# Altium PCB MCU card V2.PcbDoc (continued)
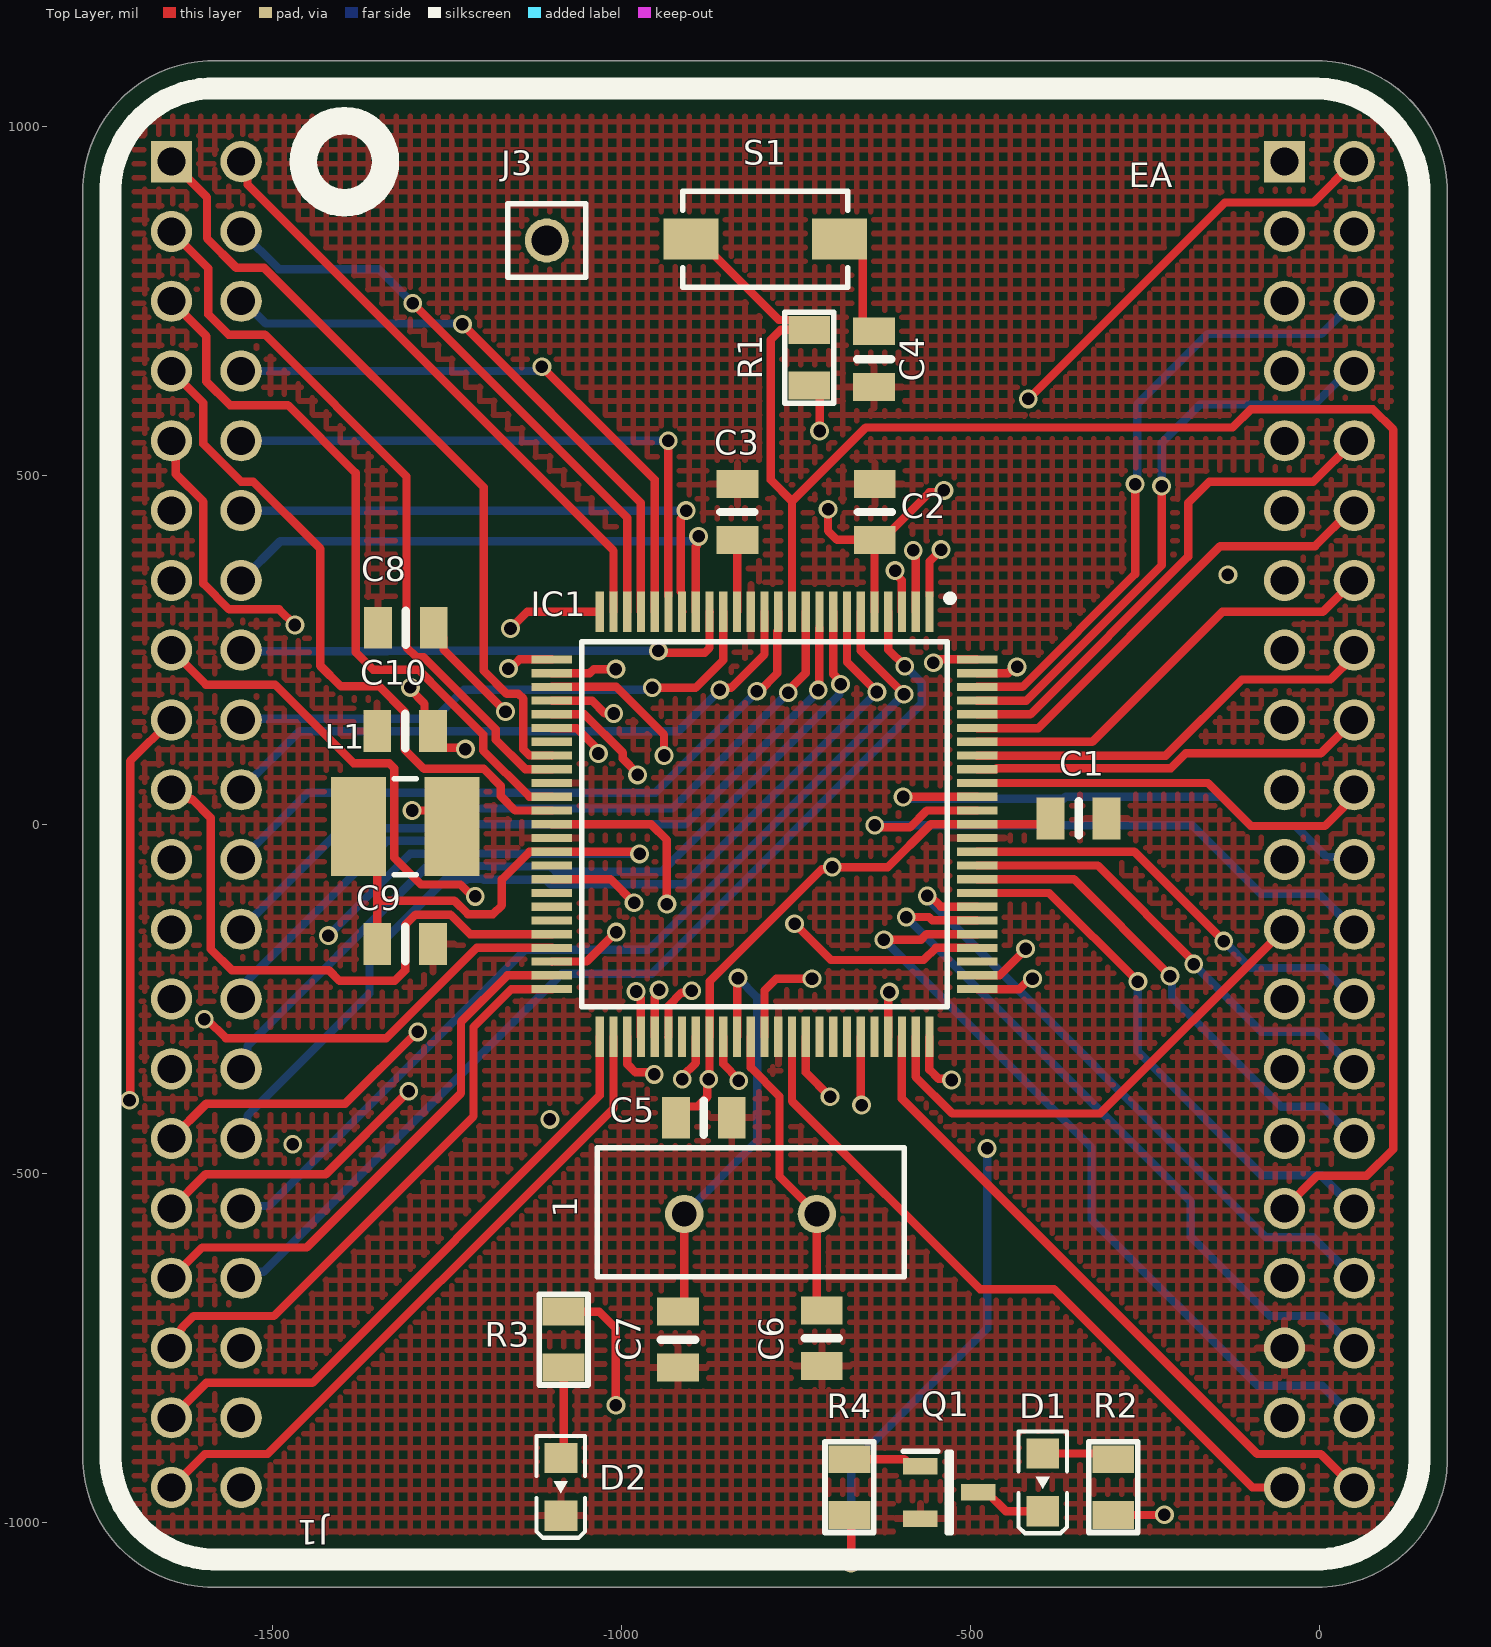
[diagram p0: Top Layer view]
## Footprints (in the part's own frame and the unit in brackets; to place one, negate y for a bottom-side part, rotate by r counter-clockwise, add the part's x,y. Pads: shape width x height; smd on the part's side, far side on the other; paste and mask are expansions set on the pad) (continued)
  silkscreen extent -8.35,-6.65 6.65,6.88, body extent -8,-8 8,8, height 1.2
SMD-0805-RES [mil]
  rect 60x40 smd: 1(0,40) 2(0,-40)
  silkscreen extent -35,-65 35,65, body extent -24,-39 26,39, height 31
SMD-0805C [mil]
  rect 60x40 smd: 1(0,40) 2(0,-40)
  silkscreen extent -25,0 25,0, body extent -25,-39 25,39, height 35
SOT-23-3N [mm]
  rect 1.25x0.6 smd: 1(-1.05,0.95) 2(-1.05,-0.95) 3(1.05,0)
  silkscreen extent -1.68,-1.46 0.08,1.5, body extent -1.18,-1.46 1.18,1.46, height 1.12
WE-LQ_1812 [mm] "SMT Inductor, body 4.5x3.2mm"
  rect 2x3.6 smd: 1(-1.7,0) 2(1.7,0)
  silkscreen extent -0.4,-1.75 0.4,1.75, body extent -2.25,-1.6 2.25,1.6, height 2.59
WL-SMCW_0805 [mm] "SMD Mono-color Chip LED, body 2.0x1.25mm"
  rect 1.1x1.2 smd: 1(-1.05,0) 2(1.05,0)
  silkscreen extent -1.85,-0.88 1.85,0.88, body extent -1,-0.62 1,0.63, height 0.7

## Part data
1: library part "Mini Crystal", "9B-64.000MBBK-B", Freq. Stability="+/- 30 ppm", Frequency="4.096 MHz", Load Capacitance="18 pF", Manufacturer=Abracon, Operating Temp. Range="-40 to 85 degC", PartNumber=ABLS2-4.096MHZ-D4Y-T, Shunt Capacitance="7 pF Max.", ComponentLink1Description="Manufacturer URL", ComponentLink1URL=http://www.abracon.com/, ComponentLink2Description=Datasheet, ComponentLink2URL=http://www.abracon.com/Resonators/ABLS2.pdf, DatasheetVersion="Rev. 03.31.11", ESR="180 Ohm", Freq. Tolerance="+/- 30 ppm", Mounting Technology="Surface Mount", Operation Mode="Fundamental or 3rd Overtone", PackageDescription="2-Pin SMD, Body 11.4 x 4.7 mm, Height 3.3 mm", PackageReference=ABLS2-2, Packing="Tape and Reel", RoHS=TRUE
C1 C2 C3 C4 C5 C6 C7 C8 C9 C10: library part GCD21BR71H104KA01L, "CAP CER 0.1UF 50V X7R 0805", Digi-Key Part Number=490-11955-1-ND, Manufacturer="Murata Electronics North America", Operating Temperature="-55°C ~ 125°C", Package / Case="0805 (2012 Metric)", Ratings=AEC-Q200, Temperature Coefficient=X7R, Tolerance=±10%, Voltage=50V, @ qty=0, Applications=Automotive, Datasheets=http://www.murata.com/~/media/webrenewal/support/library/catalog/products/capacitor/mlcc/c03e.ashx, Factory Stock=0, Features=-, Height - Seated (Max)=-, Image=//media.digikey.com/Renders/Murata%20Renders/0805%28GxM6%29.jpg, Lead Spacing=-, Lead Style=-, Minimum Quantity=1, Mounting Type="Surface Mount, MLCC", Packaging="Cut Tape (CT)", Part Number=GCD21BR71H104KA01L, Part Status=Active, Quantity Available=157, Series=GCD, Size / Dimension="0.079\" L x 0.049\" W (2.00mm x 1.25mm)", Thickness (Max)="0.049\" (1.25mm)", Unit Price (USD)=0.24
D1 D2: "WL-SMCW SMD Mono-color Chip LED Waterclear, size 0805, Blue", Emitting Color=Blue, Forward Voltage="3.2 V", ComponentLink1Description=Manufacturer, ComponentLink1URL=http://www.we-online.de, ComponentLink2Description=Datasheet, ComponentLink2URL=http://katalog.we-online.de/led/datasheet/150080BS75000.pdf, Part Number=150080BS75000, Peak Wavelength="465 nm", Published Date="Jan 2017", Publisher="Wurth Elektronik", Size=0805, Viewing Angle=140°
IC1: "Integrated Circuit", Manufacturer_Name=Microchip, Mouser Part Number=579-PIC18F97J94-I/PF, Datasheet Link=http://ww1.microchip.com/downloads/en/DeviceDoc/30000575C.pdf, Height=1.2mm, Manufacturer_Part_Number=PIC18F97J94-I-PF, Mouser Price/Stock=http://www.mouser.com/Search/ProductDetail.aspx?qs=X98pPdo4MrvAjQYCsjfLPg%3d%3d
J1 J2: "WR-PHD Socket Header, THT, pitch 2.54mm, Dual Row, Vertical, 40pin", Contact Resistance=20mOhm, Operating Temperature="-40 to +125degC", Rated Current=3A, Withstanding Voltage=500VAC, Working Voltage=250VAC, ComponentLink1Description=Manufacturer, ComponentLink1URL=http://www.we-online.de, ComponentLink2Description=Datasheet, ComponentLink2URL=https://katalog.we-online.de/em/datasheet/6130xx21821.pdf, Gender=Female, Mounting Technology=THT, Orientation=Vertical, Packaging=Tray, Part Number=61304021821, Pin Number=40, Pitch=2.54mm, Published Date="June 2019", Publisher="Wurth Elektronik", Row Number=Dual
J3: "WR-PHD Pin Header, THT, pitch 2.54mm, Single Row, Vertical, 1pin", Contact Resistance=20mOhm, Operating Temperature="-40 to +105degC", Rated Current=3A, Withstanding Voltage=500VAC, Working Voltage=250VAC, ComponentLink1Description=Manufacturer, ComponentLink1URL=http://www.we-online.de, ComponentLink2Description=Datasheet, ComponentLink2URL=https://katalog.we-online.de/em/datasheet/6130xx11121.pdf, Gender=Male, Mounting Technology=THT, Orientation=Vertical, Packaging=Bag, Part Number=61300111121, Pin Number=1, Pitch=2.54mm, Published Date="June 2019", Publisher="Wurth Elektronik", Row Number=Single
L1: library part 744045100, "WE-LQ SMT Inductor, size 1812, 10uH, 0.95A", DC Resistance max.=0.3Ohm, Inductance=10uH, Manufacturer="Wurth Elektronik", Operating Temperature="-40 to +125degC", Rated Current=0.95A, Saturation Current=1.5A, Self Resonant Frequency=30MHz, ComponentLink1Description=Manufacturer, ComponentLink1URL=http://www.we-online.de, ComponentLink2Description=Datasheet, ComponentLink2URL=https://www.we-online.com/catalog/datasheet/744045100.pdf, Manufacturer Part Number=744045100, Mounting Technology=SMT, Packaging="Tape and Reel", Published Date="April 2020", Q-Factor=48, Size=1812
Q1: library part S12302DS, "S12302DS Nchanel SMD SOT-23. VDS MAX 20. 400Ma DI"
R1 R2 R3 R4: library part ERJ-6ENF1001V, "RES SMD 1K OHM 1% 1/8W 0805", Digi-Key Part Number=P1.00KCCT-ND, Manufacturer="Panasonic Electronic Components", Operating Temperature="-55°C ~ 155°C", Package / Case="0805 (2012 Metric)", Power (Watts)="0.125W, 1/8W", Supplier Device Package=0805, Temperature Coefficient=±100ppm/°C, Tolerance=±1%, @ qty=1500, Composition="Thick Film", Datasheets=http://industrial.panasonic.com/www-cgi/jvcr13pz.cgi?E+PZ+3+AOA0002+ERJ6ENF1001V+7+WW, Factory Stock=0, Failure Rate=-, Features="Automotive AEC-Q200", Height - Seated (Max)="0.028\" (0.70mm)", Image=//media.digikey.com/Renders/Panasonic%20Renders/ERJ-0805%20Pkg.jpg, Minimum Quantity=1, Number of Terminations=2, Packaging="Cut Tape (CT)", Part Number=ERJ-6ENF1001V, Part Status=Active, Quantity Available=12895103, Series=ERJ, Size / Dimension="0.079\" L x 0.049\" W (2.00mm x 1.25mm)", Unit Price (USD)=0.00729
S1: "WS-TASV J-Bend SMT Tact Switch 6x3.5mm, height 4.3mm, 260gf", Operating Temperature="-40 to +85degC", Rated Current=50mA, Rated Voltage=12VDC, ComponentLink1Description=Manufacturer, ComponentLink1URL=http://www.we-online.de, ComponentLink2Description=Datasheet, ComponentLink2URL=https://katalog.we-online.com/em/datasheet/434113043826.pdf, Contact Material="Stainless Steel", Contact Plating=Silver, Height=4.3mm, Mounting Technology=SMT, Operation Force=260gf, Packaging="Tape and Reel", Part Number=434113043826, Published Date="September 2019", Publisher="Wurth Elektronik", Terminal Material="Copper Alloy", Terminal Plating=Silver, Washable=No

## Via types
v1: diameter 27, hole 18, Top Layer to Bottom Layer, 82 vias

## Nets (pads, with @x,y where several pads share a name; then routed paths per layer and width w, separated by ;. In a path a pad name is that pad's centre, name@x,y a point inside that pad or via, vN(x,y) a via of type N, cw(c..) or ccw(c..) an arc to the next point about the centre after c; other vN are vias at no path point)
3.3V: R2.2 R3.2 | length 1119.4
  Top Layer w12: R3.2 -1032.03,-698 -1008,-722.03 v1(-1008,-832) ; R2.2 -228.42,-989.42 -228,-989 v1(-222,-989)
  MidTop w12: v1(-1008,-832) -851,-989 v1(-222,-989)
3V3_MCU: C1.2 C2.1 C5.2 C8.2 C9.2 IC1.5 IC1.28 IC1.40 IC1.59 IC1.88 J2.7 J2.33 L1.2 R1.2 | length 6994.7
  Top Layer w12: L1.2 -1350,-29.93 -1350,-108.89 ; C9.2 -1350,-108.89 ; C8.2 -1255,268 -1255,250.83 v1(-1166.17,162) ; IC1.28 -1007.35,197.35 -939,129 v1(-939,99) ; v1(-974,-42) -978.06,-42 -981.09,-38.96 -1131.95,-38.96 -1171.44,-78.45 -1171.44,-115.68 -1184.13,-128.38 -1220.2,-128.38 -1239.68,-108.89 -1350,-108.89 ; C5.2 -921.98,-418.01 -907.98,-404.01 -891.01,-404.01 -877.08,-390.08 -877.08,-367.08 -873.82,-363.82 -873.82,-304.24 IC1.59 -873.72,-224.66 -712.93,-63.87 -700.87,-63.87 v1(-698,-61) -618.32,-61 -556.82,0.5 IC1.88 -393.48,0.5 C1.2 ; R1.2 -730,629 -716,615 v1(-716,564) ; v1(-704,452) -704,421 -691,408 C2.1 -626.98,408 -558.85,476.13 -540.87,476.13 v1(-538,479) ; IC1.5 C2.1@-637.5,407.48
  MidTop w12: v1(-1420,-159) -1422,-157 -1422,-20 -1240,162 v1(-1166.17,162) ; v1(-875,-365) -874,-364 -874,-306.48 -727.52,-160 -387,180.52 -387,601 -338,650 J2.7 ; v1(-716,564) -704,552 v1(-704,452)
  MidBottom w12: v1(-1166.17,162) -1139.17,189 -999,189 -941.87,131.87 v1@-941.87,101.87 ; v1(-939,99) -934.94,99 -924.94,89 -889,89 -739,-61 v1(-698,-61) -698,153 -659.5,191.5 -659.5,200.56 -516.5,343.56 -516.5,459.5 -536,479 v1(-538,479) ; v1(-875,-365) -735.57,-504.43 -195.57,-504.43 J2.33
  Bottom Layer w12: v1(-1420,-159) -1303,-42 -1235.73,-42 -1235.11,-41.38 -1184.16,-41.38 -1183.54,-42 v1(-974,-42)
GND: C1.1 C2.2 C3.2 C4.2 C5.1 C6.1 C7.1 C8.1 C9.1 C10.1 D2.1 IC1.14 IC1.32 IC1.35 IC1.39 IC1.64 IC1.87 J2.35 Q1.2
MCLR: IC1.11 J2.31 R1.1 S1.1 | length 2836.8
  Top Layer w12: S1.1 -890.44,839 -774.44,723 -744.98,723 R1.1 -772,709 -786,695 -786,493.77 -755.61,463.39 ; IC1.11 -755.61,463.39 ; J2.31 -3,-503 68,-503 106,-465 106,566 77,595 -98.25,595 -124.25,569 -650,569 -755.61,463.39
NetC3_1: C3.1 IC1.15 | length 103
  Top Layer w12: IC1.15 -834.35,328.09 -833.98,328.46 C3.1
NetC4_1: C4.1 S1.2 | length 159.7
  Top Layer w12: S1.2 -677.84,839 -654.32,815.47 -654.32,721 -640.32,707 C4.1
NetC10_2: C10.2 IC1.31 L1.1 | length 660.7
  Top Layer w12: v1(-1302.55,196.52) -1302.55,193.49 -1282.26,173.2 -1282.26,146.26 C10.2 -1270,124 -1256,110 -1225.49,110 v1(-1223.72,108.24) ; v1(-1300.06,20.24) -1266.32,20.24 L1.1 ; IC1.31 -1099.54,138.2 -1064.2,138.2 -1035.91,109.91 -1035.91,104.79 v1(-1033.04,101.92)
  MidBottom w12: v1(-1302.55,196.52) -1301.3,195.27 -1301.3,21.49 v1(-1300.06,20.24) ; v1(-1223.72,108.24) -1043.42,108.24 -1037.1,101.92 v1(-1033.04,101.92)
NetD1_1: D1.1 Q1.3 | length 103.8
  Top Layer w12: Q1.3 -476.19,-957 -449.38,-983.81 D1.1
NetD1_2: D1.2 R2.1 | length 104.4
  Top Layer w12: D1.2 -303.61,-901.13 R2.1
NetD2_2: D2.2 R3.1 | length 131.3
  Top Layer w12: D2.2 -1082.98,-903.66 R3.1
NetQ1_1: Q1.1 R4.1 | length 105.9
  Top Layer w12: R4.1 -594.64,-909.42 -584.46,-919.6 Q1.1
osc1: 1.1 C7.2 IC1.61 | length 621.1
  Top Layer w12: C7.2 -909.98,-689 1.1 ; IC1.61 -834.35,-221.35 v1(-833,-220)
  Bottom Layer w12: 1.1 -805.5,-453.52 -805.5,-247.5 v1(-833,-220)
osc2: 1.2 C6.2 IC1.62 | length 434
  Top Layer w12: IC1.62 -814.67,-348.33 -773.61,-389.39 -773.61,-504.37 1.2 -719.98,-689 C6.2
PGC: IC1.65 J2.39 | length 1027.2
  Top Layer w12: IC1.65 -755.61,-396.45 -486.28,-665.78 -380.22,-665.78 -96,-950 J2.39
PGD: IC1.58 J2.37 | length 1468.4
  Top Layer w12: v1(-913,-365) -913,-360.94 -893.5,-341.44 -893.5,-304.24 IC1.58
  MidBottom w12: v1(-913,-365) -1002,-454 -1002,-723 -875,-850 J2.37
RA0: IC1.37 J1.7 | length 979
  Top Layer w12: J1.7 -1599.1,604.1 -1599.1,545.37 -1545.26,491.53 -1527.8,491.53 -1431.61,395.34 -1431.61,227.61 -1402,198 -1347.03,198 -1310.74,161.71 -1310.74,107.77 -1282.84,79.87 -1197.31,79.87 -1173,55.56 -1173,41 -1152.28,20.28 -1099.72,20.28 IC1.37
RA1: IC1.36 J1.5 | length 1041.6
  Top Layer w12: J1.5 -1595,700 -1595,635 -1561,601 -1478,601 -1381,504 -1381,247.03 -1355.99,222.02 -1301.44,222.02 -1290.94,222 -1272.93,203.99 -1272.93,203.9 -1198.22,129.2 -1198.22,106.24 -1131.95,39.96 -1099.72,39.96 IC1.36
RA2: IC1.34 J1.3 | length 1055.5
  Top Layer w12: J1.3 -1592,797 -1592,731 -1563.05,702.05 -1511.05,702.05 -1308,499 -1308,254.03 -1293.97,240 -1283.48,240 -1180.22,136.74 -1180.22,121.84 -1137.72,79.33 -1099.72,79.33 IC1.34
RA3: IC1.33 J1.1 | length 1129.1
  Top Layer w12: J1.1 -1594,899 -1594,840 -1552,798 -1512,798 -1197.28,483.28 -1197.28,220.28 -1164.46,187.46 -1147.7,187.46 -1140.67,180.43 -1140.67,107.73 -1131.95,99.02 -1099.72,99.02 IC1.33
RA5: IC1.42 J1.9 | length 1999.8
  Top Layer w12: J1.9 -1638.74,543.74 -1638.74,502.47 -1599.1,462.83 -1599.1,345.37 -1562.2,308.47 -1490.47,308.47 v1(-1468,286) ; IC1.42 -1015.76,-78.24 v1(-982,-112)
  MidTop w12: v1(-1471,-458) -1138,-458 v1(-1102.5,-422.5)
  MidBottom w12: v1(-1471,-458) -1468,-455 v1(-1468,286) ; v1(-1102.5,-422.5) -1101,-421 -1101,-323.97 -982,-204.97 v1(-982,-112)
RB0: IC1.73 J2.40 | length 967.6
  Top Layer w12: IC1.73 -598.13,-392.87 -89,-902 2,-902 J2.40
RB1: IC1.72 J2.4 | length 1485.2
  Top Layer w12: IC1.72 -617.82,-241.82 v1(-616,-240)
  MidTop w12: v1(-616,-240) -131,245 v1(-131,358)
  MidBottom w12: v1(-131,358) -131,762 -94,799 -1,799 J2.4
RB2: IC1.70 J1.11 | length 2447.9
  Top Layer w12: IC1.70 -657.19,-400.81 v1(-656,-402)
  MidTop w12: J1.11 -1731,364 -1731,-653 -1692.47,-691.53 -945.53,-691.53 v1(-656,-402)
RC2: IC1.53 J1.17 | length 1425.7
  Top Layer w12: v1(-1705,-395) -1704,-394 -1704,91 J1.17 ; IC1.53 -991.74,-304.24 -991.74,-343.26 -979.87,-355.13 -955.87,-355.13 v1(-953,-358)
  MidTop w12: v1(-1705,-395) -1367.47,-395 -1324.97,-352.5 -967.53,-352.5 -964.9,-355.13 -955.87,-355.13 v1(-953,-358)
RC3: IC1.54 J2.1 | length 1741.3
  Top Layer w12: v1(-978.96,-239.2) -978.96,-242.22 -972.15,-249.03 IC1.54
  MidTop w12: v1(-978.96,-239.2) -978.96,-235.14 -971.53,-227.72 -971.53,-226.41 -510.73,234.39 -510.73,659.27 -220,950 J2.1
RC4: IC1.56 J2.5 | length 1586.6
  Top Layer w12: IC1.56 -932.69,-304.05 -932.69,-259.69 -913.87,-240.87 -902.09,-240.87 v1(-899.22,-238)
  MidTop w12: v1(-899.22,-238) -896.35,-235.13 -896.35,-223.29 -468,205.06 -468,605 -323,750 J2.5
RC6: IC1.47 J1.13 | length 1214.1
  Top Layer w12: v1(-1598,-279) -1593.94,-279 -1566.94,-306 -1337,-306 -1207.67,-176.67 IC1.47
  MidBottom w12: J1.13 -1595,300 -1595,-265.39 -1595.13,-265.52 -1595.13,-276.13 v1(-1598,-279)
RC7: IC1.48 J1.15 | length 989.7
  Top Layer w12: J1.15 -1595.5,200.5 -1496.5,200.5 -1384,88 -1333,88 -1325.56,80.56 -1325.56,-47.72 -1287.41,-85.87 -1230.7,-85.87 -1213.69,-102.88 v1(-1209.63,-102.88) ; IC1.48 -1099.54,-196.26 -1049.76,-196.26 v1(-1007.5,-154)
  MidBottom w12: v1(-1209.63,-102.88) -1158.51,-154 v1(-1007.5,-154)
RD0: IC1.90 J2.22 | length 792.4
  Top Layer w12: v1(-596.53,39.53) -596.29,39.78 -490.43,39.78 IC1.90
  Bottom Layer w12: v1(-596.53,39.53) -594,37 -366.47,37 -363.47,40 -140,40 -98,-2 -34,-2 10.39,-46.39 46.39,-46.39 J2.22
RD1: IC1.86 J2.26 | length 627.8
  Top Layer w12: IC1.86 -265.13,-38.87 v1(-137,-167)
  Bottom Layer w12: v1(-137,-167) -98.57,-205.43 5.43,-205.43 J2.26
RD2: IC1.84 J2.30 | length 711.2
  Top Layer w12: IC1.84 -351.76,-78.24 -214,-216 v1(-214,-217)
  Bottom Layer w12: v1(-214,-217) -211.13,-219.87 -211.13,-247.6 -54.63,-404.1 4.1,-404.1 J2.30
RD3: IC1.83 J2.32 | length 786.2
  Top Layer w12: IC1.83 -387.07,-97.93 v1(-260,-225)
  Bottom Layer w12: v1(-260,-225) -260,-325 -82.5,-502.5 2.5,-502.5 J2.32
RD4: IC1.82 J2.34 | length 918.9
  Top Layer w12: v1(-561.79,-102.21) -557.73,-102.21 -542.33,-117.61 IC1.82
  Bottom Layer w12: v1(-561.79,-102.21) -561.79,-106.27 -76.53,-591.53 -8.47,-591.53 J2.34
RD5: IC1.81 J2.36 | length 1031.1
  Top Layer w12: v1(-592.03,-132.46) -559.37,-132.46 -554.53,-137.3 IC1.81
  Bottom Layer w12: v1(-592.03,-132.46) -184,-540.48 -184,-591 -70.9,-704.1 4.1,-704.1 J2.36
RD6: IC1.79 J2.2 | length 1802.7
  Top Layer w12: v1(-752,-142) -700,-194 -566.94,-194 -549.6,-176.67 IC1.79 ; v1(-417,610) -135.47,891.53 -8.47,891.53 J2.2
  MidTop w12: v1(-752,-142) -749.13,-139.13 -739.13,-139.13 -407.5,192.5 -407.5,596.44 -417,605.94 v1(-417,610)
RE0: IC1.4 J1.34 | length 1468.1
  Top Layer w12: IC1.4 -617.82,250.82 v1(-594,227)
  Bottom Layer w12: J1.34 -1536,-641 -1513,-641 -1085.5,-213.5 -956.5,-213.5 -569.68,173.32 -569.68,202.68 v1(-594,227)
RE1: IC1.3 J1.36 | length 1984.7
  Top Layer w12: v1(-608,364) -608,359.94 -598.13,350.07 IC1.3
  MidBottom w12: J1.36 -1445.5,-650.5 -1445.5,236.5 -1313.5,368.5 -622.53,368.5 -620.9,366.87 -610.87,366.87 v1(-608,364)
RE2: IC1.98 J2.6 | length 909.9
  Top Layer w12: IC1.98 -425.59,197.35 -264,358.94 v1(-264,488)
  Bottom Layer w12: v1(-264,488) -261.13,490.87 -261.13,601.87 -160,703 3,703 J2.6
RE3: IC1.97 J2.8 | length 838.8
  Top Layer w12: IC1.97 -419.82,177.67 -226,371.48 v1(-226,485)
  Bottom Layer w12: v1(-226,485) -226,547 -171,602 -7,602 41,650 J2.8
RE4: IC1.95 J2.12 | length 669.5
  Top Layer w12: IC1.95 -402.7,138.3 -142,399 -6,399 45,450 J2.12
RE5: IC1.94 J2.14 | length 636.2
  Top Layer w12: IC1.94 -325.39,118.61 -139,305 5,305 J2.14
RE6: IC1.93 J2.16 | length 607.6
  Top Layer w12: IC1.93 -220.07,98.93 -111,208 16,208 50,242 J2.16
RE7: IC1.92 J2.18 | length 569.6
  Top Layer w12: IC1.92 -490.24,79.33 -463.65,79.33 -462.06,80.93 -212.62,80.93 -191.54,102 2,102 J2.18
RF2: IC1.23 J1.4 | length 857.8
  Top Layer w12: v1(-1299,747) -991.83,439.83 IC1.23
  Bottom Layer w12: J1.4 -1491,796 -1348,796 v1(-1299,747)
RF3/D-: IC1.22 J1.6 | length 848.5
  Top Layer w12: v1(-1228,717) -972.15,461.15 IC1.22
  Bottom Layer w12: J1.6 -1541.79,750 -1509.79,718 -1229,718 v1(-1228,717)
RF4/D+: IC1.20 J1.10 | length 833.9
  Top Layer w12: v1(-933,550) -933,331.96 -932.87,331.83 IC1.20@-932.87,328.18
  Bottom Layer w12: J1.10 v1(-933,550)
RF5: IC1.19 J1.12 | length 786.3
  Top Layer w12: IC1.19 -913.19,305.24 -913.19,331.83 -914.87,333.51 -914.87,339.15 -915,339.28 -915,438.44 -907.5,445.94 v1(-907.5,450)
  Bottom Layer w12: J1.12 v1(-907.5,450)
RF6: IC1.18 J1.14 | length 791.1
  Top Layer w12: IC1.18 -893.41,398.48 -892.37,399.52 -892.37,410.13 v1(-889.5,413)
  Bottom Layer w12: J1.14 -1489,406 -897,406 -890,413 v1(-889.5,413)
RF7: IC1.17 J1.16 | length 728.1
  Top Layer w12: v1(-947,249) -944.13,246.13 -880.85,246.13 -873.82,253.16 -873.82,305.05 IC1.17
  Bottom Layer w12: J1.16 -1543.5,248.5 -1335.85,248.5 -1335.35,249 v1(-947,249)
RG0: IC1.6 J1.32 | length 1399
  Top Layer w12: IC1.6 -657.19,249.25 -595.18,187.25 v1(-595.18,186.82)
  Bottom Layer w12: J1.32 -1541.46,-546.46 -1505.33,-546.46 -1138.38,-179.5 -961.5,-179.5 v1(-595.18,186.82)
RG1: IC1.7 J1.30 | length 1362
  Top Layer w12: IC1.7 -676.87,232.87 v1(-634,190)
  Bottom Layer w12: J1.30 -1536,-441 -1536,-417 -1361.1,-242.1 -1361.1,-187.1 -1253,-79 -1221.82,-79 -1220.2,-77.38 -1199.07,-77.38 -1197.45,-79 -1107.94,-79 -1101.44,-85.5 -909.5,-85.5 v1(-634,190)
RG2: IC1.8 J1.28 | length 1223.9
  Top Layer w12: IC1.8 -696.56,215.68 -686,205.12 v1(-686,201.06)
  Bottom Layer w12: J1.28 -1536,-341 -1536,-317 -1279,-60 -1228.27,-60 -1227.65,-59.38 -1191.62,-59.38 -1190.99,-60 -1101.48,-60 -1093.98,-67.5 -941.96,-67.5 -687.87,186.59 -687.87,199.19 v1(-686,201.06)
RG3: IC1.9 J1.26 | length 1112
  Top Layer w12: v1(-717.93,192.72) -716.34,194.3 IC1.9@-716.34,282.11
  Bottom Layer w12: J1.26 -1536,-241 -1536,-223 -1336.26,-23.26 -1269.17,-23.26 -1245.41,0.5 -908.5,0.5 -717.93,191.07 v1(-717.93,192.72)
RG4: IC1.12 J1.22 | length 967.7
  Top Layer w12: v1(-806,191) -802.62,191 -776.98,216.64 -776.98,276.87 -775.39,278.46 -775.39,305.05 IC1.12
  Bottom Layer w12: J1.22 -1449.26,45.74 -951.26,45.74 v1(-806,191)
RG6: IC1.89 J2.24 | length 906.7
  Top Layer w12: v1(-637.03,-0.97) -634.16,-3.84 -606.1,-3.84 -605.94,-4 -586.78,-4 -562.59,20.18 IC1.89
  Bottom Layer w12: v1(-637.03,-0.97) -182,-1 -84,-99 -1,-99 J2.24
RG7: IC1.96 J2.10 | length 747.8
  Top Layer w12: IC1.96 -414.05,157.98 -188,384.03 -188,461 -157.47,491.53 -8.47,491.53 J2.10
RH0: IC1.99 J2.21 | length 558.4
  Top Layer w12: IC1.99 -490.24,217.13 -445.93,217.13 -437.06,226 v1(-433,226)
  MidBottom w12: v1(-433,226) -326,226 J2.21
RH1: IC1.100 J2.27 | length 925.9
  Top Layer w12: v1(-553,232) -548.94,232 -544.22,236.72 IC1.100
  MidBottom w12: v1(-553,232) -553,31.94 -171.06,-350 J2.27
RH2: IC1.1 J1.40 | length 2228.8
  Top Layer w12: IC1.1@-558.67,328.18 -558.67,377.33 v1(-542,394)
  MidBottom w12: J1.40 -1361,-766 -1361,213 -1265.5,308.5 -588.5,308.5 -542,355 v1(-542,394)
RH3: IC1.2 J1.38 | length 2148.6
  Top Layer w12: v1(-582,393) -582,388.94 -578.45,385.39 IC1.2
  MidBottom w12: J1.38 -1394.5,-699.5 -1394.5,240.5 -1305,330 -592.46,330 -582,340.46 v1(-582,393)
RH4: IC1.27 J1.25 | length 937.4
  Top Layer w12: IC1.27 -1045.5,217.04 -1039.69,222.85 v1(-1008,222.85)
  MidTop w12: J1.25 -1594,-199 -1412,-199 -1009.35,203.65 -1009.35,221.5 v1(-1008,222.85)
RH5: IC1.26 J1.23 | length 739.5
  Top Layer w12: v1(-1162,223.5) -1159.5,223.5 -1146.28,236.72 IC1.26
  MidTop w12: J1.23 -1598,-103 -1508,-103 -1458,-53 -1458,5 -1239.5,223.5 v1(-1162,223.5)
RH6: IC1.25 J1.21 | length 761.7
  Top Layer w12: v1(-1159,281) -1134.85,305.15 IC1.25
  MidTop w12: J1.21 -1595,0 -1535.12,0 -1253.12,282 -1160,282 v1(-1159,281)
RH7: IC1.24 J1.2 | length 865.8
  Top Layer w12: J1.2 -1536,941 -1536,917 -1011.52,392.52 IC1.24
RJ0: IC1.77 R4.2 | length 1138.7
  Top Layer w12: R4.2 -671,-991.74 v1(-671,-1058) ; IC1.77 -490.24,-215.94 -458.02,-215.94 -421,-178.92 v1(-421,-178)
  MidBottom w12: v1(-476,-464) -476,-233 v1(-421,-178)
  Bottom Layer w12: v1(-671,-1058) -671,-917 -476,-722 v1(-476,-464)
RJ1: IC1.76 J2.29 | length 564.1
  Top Layer w12: IC1.76 -429.78,-235.72 -415.06,-221 v1(-411,-221)
  MidBottom w12: v1(-411,-221) -411,-260 -221,-450 J2.29
RJ2: IC1.75 J2.25 | length 610
  Top Layer w12: IC1.75 -558.76,-351.24 -545.77,-364.23 -528.77,-364.23 v1(-527,-366)
  MidTop w12: v1(-527,-366) -166,-366 J2.25
RJ3: IC1.74 J2.23 | length 716.9
  Top Layer w12: IC1.74 -578.45,-361.55 -526,-414 -314,-414 J2.23
RJ4: IC1.49 J1.33 | length 785.1
  Top Layer w12: J1.33 -1601,-606 -1451,-606 -1230,-385 -1230,-282.54 -1163.49,-216.04 IC1.49
RJ5: IC1.50 J1.35 | length 841.6
  Top Layer w12: J1.35 -1645,-737.27 -1630.39,-722.66 -1630.39,-721.39 -1613.1,-704.1 -1498.1,-704.1 -1212,-418 -1212,-290 -1157.72,-235.72 IC1.50
RJ6: IC1.51 J1.37 | length 889.1
  Top Layer w12: J1.37 -1595,-800 -1443,-800 -1031.2,-388.2 IC1.51
RJ7: IC1.52 J1.39 | length 961
  Top Layer w12: J1.39 -1597,-902 -1507,-902 -1011.52,-406.52 IC1.52
RK0: IC1.46 J1.19 | length 858
  Top Layer w12: J1.19 -1632.27,50 -1618.66,36.39 -1615.39,36.39 -1588.8,9.8 -1588.8,-178.2 -1558.53,-208.47 -1419.53,-208.47 -1404,-224 -1325,-224 -1310,-209 -1310,-144.03 -1294.97,-129 -1245.03,-129 -1217.05,-156.98 IC1.46
RK1: IC1.55 J2.3 | length 1656.8
  Top Layer w12: IC1.55 -952.46,-247.46 -946.03,-241.03 v1(-946.03,-236.97)
  MidTop w12: v1(-946.03,-236.97) -943.16,-234.1 -943.16,-224.1 -492.73,226.33 -492.73,627.27 -270,850 J2.3
RK2: IC1.60 J2.9 | length 1467.6
  Top Layer w12: IC1.60 -853.94,-304.24 -853.94,-343.06 -832.03,-364.97 v1(-832.03,-367.03)
  MidTop w12: v1(-832.03,-367.03) -832.03,-289.97 -361,181.06 -361,503 -314,550 J2.9
RK3: IC1.63 J2.11 | length 1216.4
  Top Layer w12: IC1.63 -794.98,-237.62 -778.36,-221 v1(-727,-221)
  MidTop w12: v1(-727,-221) -335,171 -335,376 -261,450 J2.11
RK4: IC1.66 J1.31 | length 1119.2
  Top Layer w12: J1.31 -1596,-501 -1423.81,-501 v1(-1304.91,-382.09) ; IC1.66 -735.83,-304.24 -735.83,-355.17 v1(-701,-390)
  MidTop w12: v1(-1304.91,-382.09) -1300.85,-382.09 -1290.41,-392.53 -703.53,-392.53 v1(-701,-390)
RK6: IC1.80 J2.38 | length 1155.1
  Top Layer w12: v1(-624,-165) -570.67,-165 -562.65,-156.98 IC1.80
  Bottom Layer w12: v1(-624,-165) -326.38,-462.62 -326.38,-565.62 -87.9,-804.1 4.1,-804.1 J2.38
RK7: IC1.85 J2.28 | length 663.4
  Top Layer w12: IC1.85 -317.44,-58.56 -180,-196 v1(-180,-200)
  Bottom Layer w12: v1(-180,-200) -83,-297 -3,-297 J2.28
RL0: IC1.91 J2.20 | length 593.2
  Top Layer w12: IC1.91 -159.56,59.56 -98,-2 8,-2 50,40 J2.20
RL1: IC1.10 J1.24 | length 1050.9
  Top Layer w12: v1(-761,189) -761,191.96 -735.96,217 -735.96,305.11 IC1.10
  Bottom Layer w12: J1.24 -1400.26,-5.26 -1276.62,-5.26 -1248.37,23 -927,23 v1(-761,189)
RL2: IC1.13 J1.20 | length 891.5
  Top Layer w12: v1(-859,193) -856.13,195.87 -843.13,195.87 -794.98,244.02 IC1.13
  Bottom Layer w12: J1.20 -1461.26,133.74 -918.26,133.74 v1(-859,193)
RL3: IC1.16 J1.18 | length 795.8
  Top Layer w12: v1(-956,196) -894,196 -854.04,235.96 IC1.16
  Bottom Layer w12: J1.18 -1543.26,151.74 -1267.43,151.74 -1225.66,193.5 -958.5,193.5 v1(-956,196)
RL4: IC1.21 J1.8 | length 851.2
  Top Layer w12: v1(-1114,656) -952.46,494.46 IC1.21
  Bottom Layer w12: J1.8 -1120,650 v1(-1114,656)
RL5: IC1.30 J1.27 | length 1010.4
  Top Layer w12: IC1.30 -1099.54,157.89 -1052.95,157.89 -998.17,103.11 -998.17,94.62 -977,73.45 v1(-977,71.24)
  MidTop w12: J1.27 -1601,-306 -1349,-306 -1000.89,42.11 -1000.89,47.35 v1(-977,71.24)
RL6: IC1.38 J1.29 | length 1126.8
  Top Layer w12: J1.29 -1595,-400 -1395.97,-400 -1293,-297.03 v1(-1291.97,-297.03) ; IC1.38 -957.5,0.5 -935,-22 v1(-935,-114)
  MidTop w12: v1(-1291.97,-297.03) -1288.94,-297.03 -1280.63,-288.73 -1279.73,-288.73 -1213,-222 -1023,-222 -935.27,-134.27 -935.27,-114.27 v1(-935,-114)
VBAT: IC1.29 J3.1 | length 839.7
  Top Layer w12: IC1.29 -1042.12,177.67 -1023.96,159.5 -1011.26,159.5 v1(-1011,159.24)
  MidTop w12: J3.1 -1107,755 -982.5,630.5 -982.5,183.77 -1007.03,159.24 v1(-1011,159.24)
pads on no net: IC1.41 IC1.43 IC1.44 IC1.45 IC1.57 IC1.67 IC1.68 IC1.69 IC1.71 IC1.78 J2.13 J2.15 J2.17 J2.19

## Polygon pours and split planes (outlines as drawn)
GND on Bottom Layer (hatched 90Degree grid 20 track 8, remove dead copper, pour order 0): -1705.83,1022.64 110.83,1022.64 110.83,-1022.64 -1705.83,-1022.64
GND on MidBottom (hatched 90Degree grid 20 track 8, remove dead copper, pour order 1): -1697.95,1014.76 102.95,1014.76 102.95,-1014.76 -1697.95,-1014.76
GND on MidTop (hatched 90Degree grid 20 track 8, remove dead copper, pour order 2): -1697.95,1014.76 102.95,1014.76 102.95,-1014.76 -1697.95,-1014.76
GND on Top Layer (hatched 90Degree grid 20 track 8, remove dead copper, pour order 4): -1697.95,1014.76 102.95,1014.76 102.95,-1014.76 -1697.95,-1014.76

## Silkscreen, mask and mechanical layers (free items; w line width, h text height)
Top Overlay:
  circle w39.37: c-1396.98,950 r58.83
  lines w31.5: -1732.48,-898.82 ccw(c-1581.61,-902.33) -1585.12,-1053.2 -10.31,-1053.2 ccw(c-4.53,-904.83) 143.84,-910.61 143.84,900.41 ccw(c-6.98,904.25) -3.15,1055.07 -1577.95,1055.07 ccw(c-1583.78,906.37) -1732.48,912.2 -1732.48,-898.82
  text "EA" at -272.98,902.13 h60
Bottom Overlay:
  circle w10: c-1166.3,938.13 r22.47
  circle w10: c-493.44,-946.1 r22.47
  circle w10: c-420.44,-946.1 r22.47
  circle w10: c-493.44,853.9 r22.47
  circle w10: c-493.44,953.9 r22.47
  circle w10: c-493.44,753.9 r22.47
  circle w10: c-493.44,553.9 r22.47
  circle w10: c-493.44,-46.1 r22.47
  circle w10: c-493.44,-246.1 r22.47
  circle w10: c-493.44,-346.1 r22.47
  circle w10: c-493.44,-446.1 r22.47
  circle w10: c-493.44,-146.1 r22.47
  circle w10: c-493.44,353.9 r22.47
  circle w10: c-493.44,253.9 r22.47
  circle w10: c-493.44,153.9 r22.47
  circle w10: c-493.44,53.9 r22.47
  circle w10: c-493.44,453.9 r22.47
  circle w10: c-493.44,653.9 r22.47
  circle w10: c-420.44,-546.1 r22.47
  circle w10: c-420.44,-246.1 r22.47
  circle w10: c-420.44,553.9 r22.47
  circle w10: c-420.44,453.9 r22.47
  circle w10: c-420.44,353.9 r22.47
  circle w10: c-420.44,153.9 r22.47
  circle w10: c-420.44,253.9 r22.47
  circle w10: c-420.44,-46.1 r22.47
  circle w10: c-420.44,-146.1 r22.47
  circle w10: c-420.44,-346.1 r22.47
  circle w10: c-420.44,53.9 r22.47
  circle w10: c-420.44,-646.1 r22.47
  circle w10: c-420.44,-846.1 r22.47
  circle w10: c-420.44,-746.1 r22.47
  circle w10: c-420.44,-446.1 r22.47
  circle w10: c-420.44,853.9 r22.47
  circle w10: c-420.44,653.9 r22.47
  circle w10: c-420.44,953.9 r22.47
  circle w10: c-420.44,753.9 r22.47
  circle w10: c-493.44,-846.1 r22.47
  circle w10: c-493.44,-646.1 r22.47
  circle w10: c-493.44,-546.1 r22.47
  circle w10: c-493.44,-746.1 r22.47
  circle w10: c-1166.3,338.13 r22.47
  circle w10: c-1166.3,-661.87 r22.47
  circle w10: c-1166.3,-561.87 r22.47
  circle w10: c-1166.3,-761.87 r22.47
  circle w10: c-1166.3,38.13 r22.47
  circle w10: c-1166.3,138.13 r22.47
  circle w10: c-1166.3,-61.87 r22.47
  circle w10: c-1166.3,-261.87 r22.47
  circle w10: c-1166.3,-161.87 r22.47
  circle w10: c-1166.3,-461.87 r22.47
  circle w10: c-1166.3,-361.87 r22.47
  circle w10: c-1166.3,238.13 r22.47
  circle w10: c-1166.3,738.13 r22.47
  circle w10: c-1093.3,838.13 r22.47
  circle w10: c-1093.3,738.13 r22.47
  circle w10: c-1166.3,838.13 r22.47
  circle w10: c-1093.3,938.13 r22.47
  circle w10: c-1093.3,-461.87 r22.47
  circle w10: c-1093.3,-361.87 r22.47
  circle w10: c-1093.3,-261.87 r22.47
  circle w10: c-1093.3,-161.87 r22.47
  circle w10: c-1166.3,438.13 r22.47
  circle w10: c-1093.3,538.13 r22.47
  circle w10: c-1093.3,638.13 r22.47
  circle w10: c-1093.3,438.13 r22.47
  circle w10: c-1093.3,338.13 r22.47
  circle w10: c-1093.3,138.13 r22.47
  circle w10: c-1093.3,238.13 r22.47
  circle w10: c-1093.3,-61.87 r22.47
  circle w10: c-1093.3,38.13 r22.47
  circle w10: c-1166.3,538.13 r22.47
  circle w10: c-1166.3,638.13 r22.47
  circle w10: c-1093.3,-661.87 r22.47
  circle w10: c-1093.3,-861.87 r22.47
  circle w10: c-1093.3,-561.87 r22.47
  circle w10: c-1093.3,-961.87 r22.47
  circle w10: c-1093.3,-761.87 r22.47
  circle w10: c-1166.3,-861.87 r22.47
  circle w10: c-1166.3,-961.87 r22.47
  lines w10: -1225.98,-1011.87 -1034.98,-1011.87 -1034.98,1017.13 -1225.98,1017.13 -1225.98,-1011.87 ; -554.44,-1012.1 -363.44,-1012.1 -363.44,1016.9 -554.44,1016.9 -554.44,-1012.1
  text "A" at -1110.98,1034.17 h60
  text "B" at -448.51,1034 h60
  text "RC3" at -593.44,937.83 h60
  text "RD6" at -240.44,937.83 h60
  text "RA3" at -1266.3,922.07 h60
  text "RH7" at -913.3,922.07 h60
  text "RK1" at -593.44,837.83 h60
  text "RB1" at -240.44,837.83 h60
  text "RA2" at -1266.3,822.07 h60
  text "RF2" at -913.3,822.07 h60
  text "RC4" at -593.44,737.83 h60
  text "RE2" at -240.44,737.83 h60
  text "RA1" at -1266.3,722.07 h60
  text "RF3" at -913.3,722.07 h60
  text "RE3" at -240.44,637.83 h60
  text "3V3_MCU" at -593.44,633.73 h60
  text "RA0" at -1266.3,622.07 h60
  text "RL4" at -913.3,622.07 h60
  text "RK2" at -593.44,537.83 h60
  text "RG7" at -240.44,537.83 h60
  text "RA5" at -1266.3,522.07 h60
  text "RF4" at -913.3,522.07 h60
  text "EMIRATES AUTOMATION" at -769.65,475.13 h60 r90
  text "RK3" at -593.44,437.83 h60
  text "RE4" at -240.44,437.83 h60
  text "RB2" at -1266.3,422.07 h60
  text "RF5" at -913.3,422.07 h60
  text "RE5" at -240.44,337.83 h60
  text "RC6" at -1266.3,322.07 h60
  text "RF6" at -913.3,322.07 h60
  text "RE6" at -240.44,237.83 h60
  text "RC7" at -1266.3,222.07 h60
  text "RF7" at -913.3,222.07 h60
  text "RE7" at -241.38,137.83 h60
  text "RC2" at -1266.3,122.07 h60
  text "RL3" at -913.3,122.07 h60
  text "RL0" at -240.44,37.83 h60
  text "RK0" at -1266.3,22.07 h60
  text "RL2" at -913.3,22.07 h60
  text "RH0" at -593.44,-62.17 h60
  text "RD0" at -240.44,-62.17 h60
  text "RH6" at -1266.3,-77.93 h60
  text "RG4" at -913.3,-77.93 h60
  text "RJ3" at -593.44,-162.17 h60
  text "RG6" at -240.44,-162.17 h60
  text "RH5" at -1266.3,-177.93 h60
  text "RL1" at -913.3,-177.93 h60
  text "RJ2" at -593.44,-262.17 h60
  text "RD1" at -240.44,-262.17 h60
  text "RH4" at -1266.3,-277.93 h60
  text "RG3" at -913.3,-277.93 h60
  text "RH1" at -593.44,-362.17 h60
  text "RK7" at -240.44,-362.17 h60
  text "RL5" at -1266.3,-377.93 h60
  text "RG2" at -913.3,-377.93 h60
  text "RJ1" at -593.44,-462.17 h60
  text "RD2" at -240.44,-462.17 h60
  text "RL6" at -1266.3,-477.93 h60
  text "RG1" at -913.3,-477.93 h60
  text "RD3" at -240.44,-562.17 h60
  text "MCLR" at -567.98,-563.93 h60
  text "RK4" at -1266.3,-577.93 h60
  text "RG0" at -916.41,-578.07 h60
  text "RD4" at -240.44,-662.17 h60
  text "3V3_MCU" at -593.44,-666.27 h60
  text "RJ4" at -1266.3,-677.93 h60
  text "RE0" at -913.3,-677.93 h60
  text "GND" at -593.44,-762.17 h60
  text "RD5" at -240.44,-762.17 h60
  text "RJ5" at -1266.3,-777.93 h60
  text "RE1" at -913.3,-777.93 h60
  text "PGD" at -593.44,-862.17 h60
  text "RK6" at -240.44,-862.17 h60
  text "RJ6" at -1266.3,-877.93 h60
  text "RH3" at -913.3,-877.93 h60
  text "PGC" at -593.44,-962.17 h60
  text "RB0" at -240.44,-962.17 h60
  text "RJ7" at -1266.3,-977.93 h60
  text "RH2" at -913.3,-977.93 h60
Board Edge:
  lines w10: -1592.69,-1092.72 cw(c-1585.31,-906.2) -1771.82,-898.82 -1771.85,915.31 ; -1592.69,-1092.57 -10.31,-1092.57 ; 4.07,1094.31 cw(c-3.31,907.8) 183.21,900.41 ; 4.07,1094.44 -1577.95,1094.44 ; 183.58,900.41 183.58,-913.43 ; -1771.85,915.31 cw(c-1585.33,907.93) -1577.95,1094.44 ; -1771.85,915.31 cw(c-1585.33,907.93) -1577.95,1094.44 ; -10.31,-1092.57 ccw(c-2.93,-906.05) 183.58,-913.43 ; -10.31,-1092.57 ccw(c-2.93,-906.05) 183.58,-913.43
Mechanical 15:
  lines w10: -1729.98,9.94 206.02,9.94 ; -794.98,-1091 -794.98,1087 ; -1233,-929.86 -370.69,-929.86 -370.69,614 -1233,614 -1233,-929.86

## Text inside footprints (layer, text, board x,y; h text height)
J1: Bottom Overlay "1" at -1665.87,1041.73 h40 r270; Bottom Overlay "2" at -1567.44,1057.48 h40 r270; Bottom Overlay "39" at -1658.31,-1047.13 h40; Bottom Overlay "40" at -1526.31,-1049.13 h40
J2: Bottom Overlay "39" at -70.87,-1029.92 h40 r270; Bottom Overlay "40" at 27.56,-1029.92 h40 r270; Bottom Overlay "2" at 27.56,1057.48 h40 r270; Bottom Overlay "1" at -70.87,1041.73 h40 r270